# Altium PCB UM-64NNP-V1 rev 0.18_norail.PcbDoc (part 5 of 5)
Units mil, origin at the board's own origin, x right, y up, seen from the top; angles counter-clockwise.
Board outline 2614 x 1090.63 mil, 6 copper layers (L1, L2, L3, L4, L5, L6), stack 20.4 mil thick; 321 components, 171 nets, 960 pads, 1775 vias.
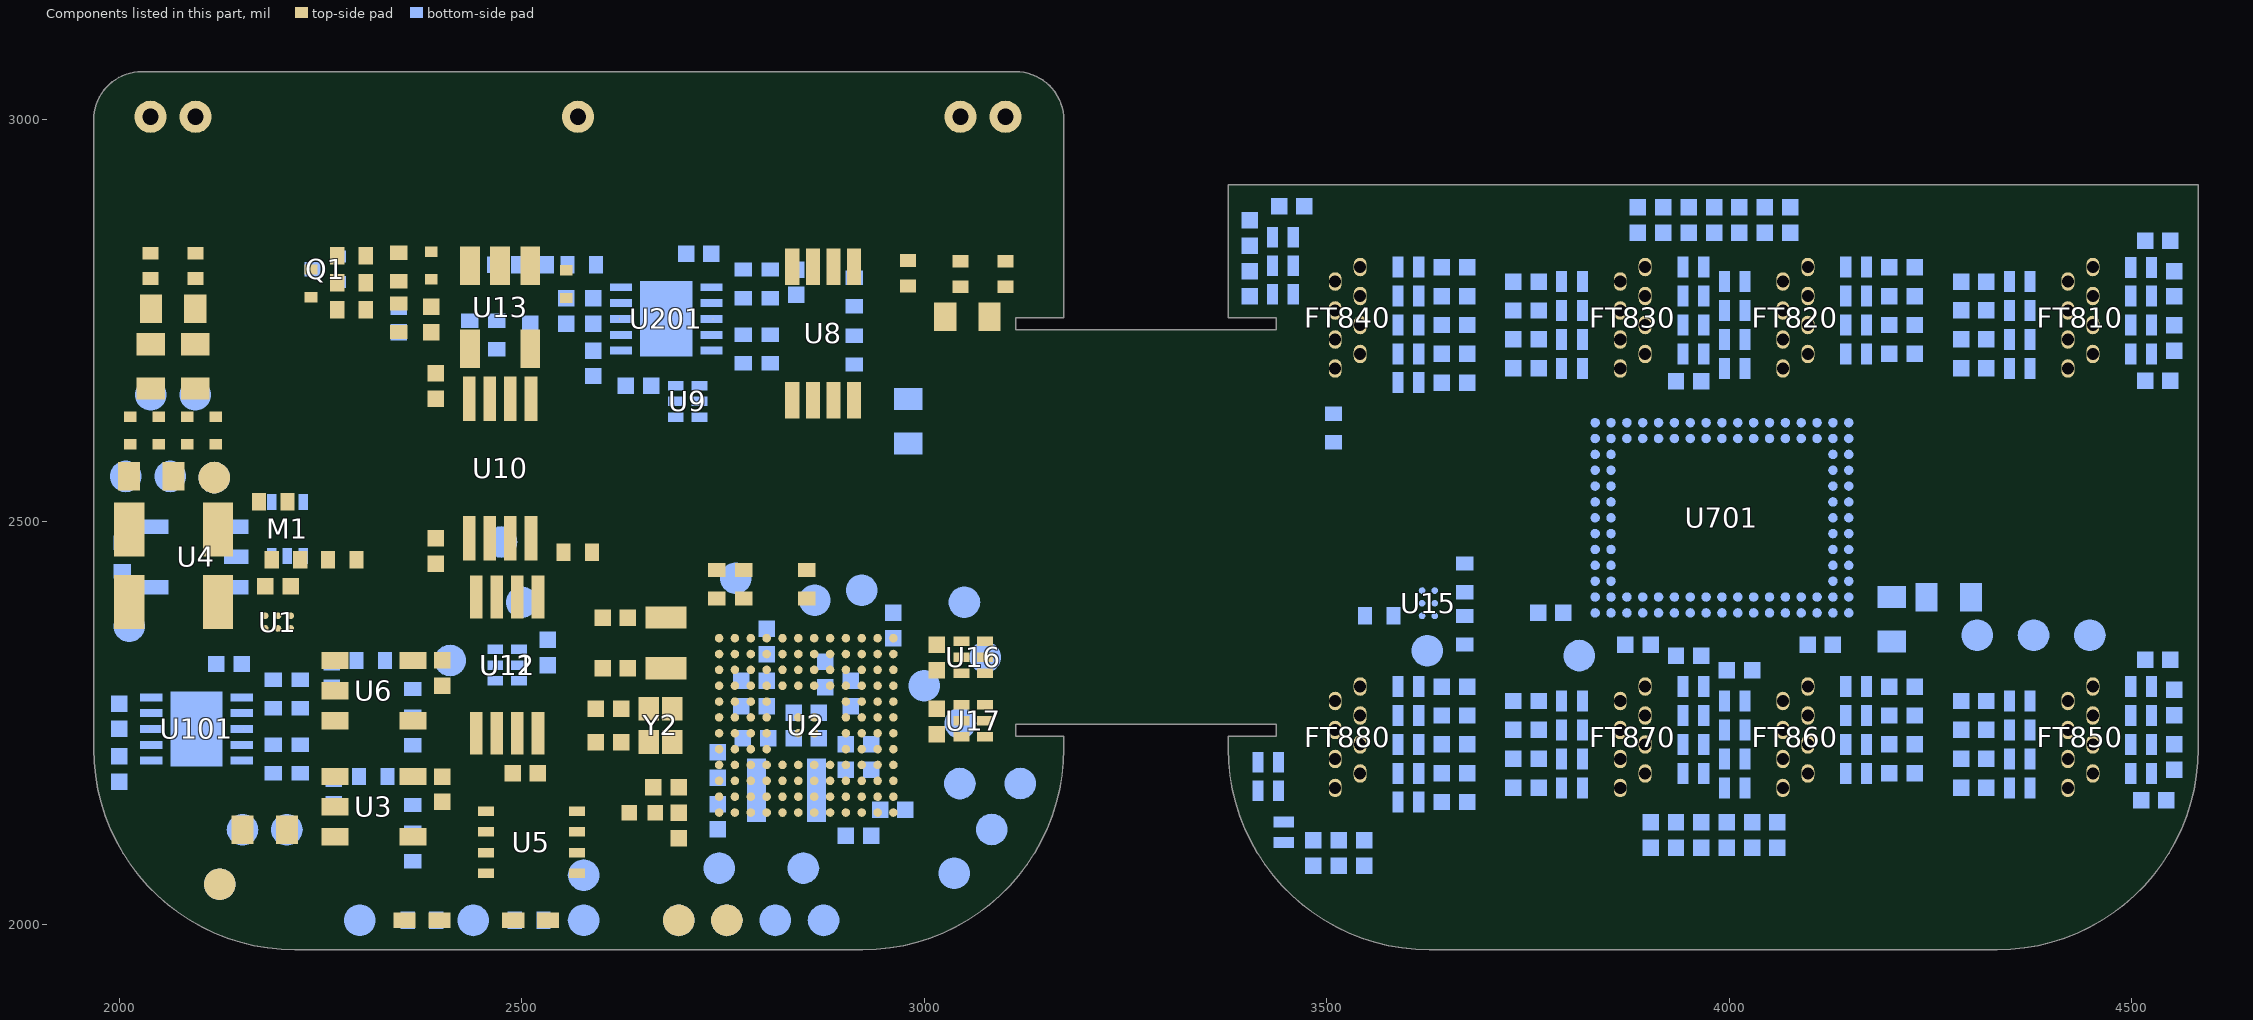
[diagram p9: the components of this part, seen from the top]

## Silkscreen, mask and mechanical layers (free items; w line width, h text height)
Top Overlay:
  circle w10: c2718.41,2400.02 r1.85
  text "FT840" at 3427,2843.01 h45
  text "FT830" at 3727,2843.01 h45
  text "FT820" at 4002,2843.01 h45
  text "FT810" at 4317,2843.01 h45
  text "1" at 3460,2785.01 h35
  text "1" at 3814,2785.01 h35
  text "1" at 4016,2785.01 h35
  text "1" at 4370,2785.01 h35
  text "8" at 3580,2690.01 h35
  text "8" at 3934,2690.01 h35
  text "8" at 4136,2690.01 h35
  text "8" at 4490,2690.01 h35
  text "1" at 3460,2264.01 h35
  text "1" at 3814,2264.01 h35
  text "1" at 4016,2264.01 h35
  text "1" at 4370,2264.01 h35
  text "8" at 3580,2169.01 h35
  text "8" at 3934,2169.01 h35
  text "8" at 4136,2169.01 h35
  text "8" at 4490,2169.01 h35
  text "FT880" at 3437,2093.01 h45
  text "FT870" at 3737,2093.01 h45
  text "FT860" at 4012,2093.01 h45
  text "FT850" at 4314.84,2093.01 h45
Bottom Overlay:
  lines w5: 3550,2140 3590,2080 ; 4330,2380 4340,2390 ; 4390,2390 4400,2400
M1_Note:
  circle w5: c2923.5,2048.5 r10
  circle w5: c2218.5,2048.5 r10
  circle w5: c2218.5,2048.5 r39.37
  circle w5: c2923.5,2048.5 r39.37
  circle w5: c3627.5,2048.5 r10
  circle w5: c3627.5,2048.5 r39.37
  circle w5: c4332.5,2048.5 r39.37
  circle w5: c4332.5,2048.5 r10
  lines w3: 3034.14,2385.73 3042.62,2394.21
  lines w5: 2316.61,1968.5 2923.51,1968.5 ccw(c2923.5,2218.5) 3173.5,2218.5 3173.5,2233.5 3113.5,2233.5 3113.5,2248.5 3113.5,2455 2710.84,2454.95 2520,2514.49 2316.61,2514.49 ; 2316.61,1968.5 2316.61,2229.39 2417,2229.39 2417,2351.44 2316.61,2351.44 2316.61,2514.49 ; 2316.61,1968.5 2218.5,1968.5 cw(c2218.5,2218.5) 1968.5,2218.5 1968.5,2613.5 2139.93,2613.5 2271.67,2514.49 2316.61,2514.49
M2_Rigid:
  lines w5: 1968.5,2858.5 1968.5,2218.5 ccw(c2218.5,2218.5) 2218.5,1968.5 2923.5,1968.5 ccw(c2923.5,2218.5) 3173.5,2218.5 3173.5,2233.5 3113.5,2233.5 3113.5,2248.5 3113.5,2738.5 3113.5,2753.5 3173.5,2753.5 3173.5,2858.5 ; 3377.5,2218.5 ccw(c3627.5,2218.5) 3627.5,1968.5 4332.5,1968.5 ccw(c4332.5,2218.5) 4582.5,2218.5 4582.5,2918.5 3377.5,2918.5 3377.5,2753.5 3437.5,2753.5 3437.5,2738.5 3437.5,2248.5 3437.5,2233.5 3377.5,2233.5 3377.5,2218.5
  lines w7: 1968.5,2858.51 3173.5,2858.5
M3_flexOnly:
  lines w5: 1968.5,2858.51 1968.5,2999.13 cw(c2028.5,2999.13) 2028.5,3059.13 3113.5,3059.13 cw(c3113.5,2999.13) 3173.5,2999.13 3173.5,2858.5 1968.5,2858.51 ; 3113.5,2248.5 3113.5,2738.5 3437.5,2738.5 3437.5,2248.5 3113.5,2248.5
M4_Rail:
  lines w5: 1968.5,2257.88 1968.5,2819.13 ; 2067.88,3059.14 2225.36,3059.13 ; 2257.88,1968.5 2884.13,1968.5 ; 3074.13,3059.13 2916.65,3059.13 ; 3666.88,1968.5 4293.13,1968.5 ; 3771.2,2918.5 4543.13,2918.5 ; 4582.5,2257.88 4582.5,2879.13 ; 2916.65,3059.13 2916.65,3059.13 ; 4543.13,2918.5 4543.13,2918.5
M5_Cutout:
  lines w5: 1968.5,2257.88 1968.5,2218.5 ; 2257.88,1968.5 2218.5,1968.5 ; 2916.65,3059.13 2225.36,3059.13 ; 3666.88,1968.5 3627.5,1968.5 ; 3771.2,2918.5 3377.5,2918.5 ; 4582.5,2879.13 4582.5,2918.5 4543.13,2918.5 ; 1968.5,2218.51 ccw(c2218.5,2218.51) 2218.5,1968.51 ; 1968.5,2218.5 1968.5,2218.5 ; 1968.5,2819.13 1968.5,2999.13 cw(c2028.5,2999.13) 2028.5,3059.13 2067.88,3059.13 ; 1968.5,2819.13 1968.5,2819.13 ; 1968.5,2819.13 1968.5,2819.13 ; 2067.88,3059.14 2067.88,3059.14 ; 2067.88,3059.13 2067.88,3059.14 ; 2218.5,1968.5 2218.5,1968.5 ; 2225.36,3059.13 2225.36,3059.13 ; 2884.13,1968.5 2884.13,1968.5 ; 2884.13,1968.5 2884.13,1968.5 ; 2884.13,1968.5 2923.51,1968.5 ccw(c2923.5,2218.5) 3173.5,2218.5 3173.5,2233.5 3113.5,2233.5 3113.5,2248.5 3437.5,2248.5 3437.5,2233.5 3377.5,2233.5 3377.5,2218.5 ccw(c3627.5,2218.5) 3627.5,1968.5 ; 3074.13,3059.13 3074.14,3059.13 ; 3074.13,3059.13 3074.13,3059.13 ; 3074.13,3059.13 3113.5,3059.13 cw(c3113.5,2999.13) 3173.5,2999.13 3173.5,2753.5 3113.5,2753.5 3113.5,2738.5 3437.5,2738.5 3437.5,2753.5 3377.5,2753.5 3377.5,2918.5 ; 3377.5,2918.5 3377.5,2918.5 ; 3627.5,1968.5 3627.5,1968.5 ; 4293.13,1968.5 4293.13,1968.5 ; 4293.13,1968.5 4293.13,1968.5 ; 4293.13,1968.5 4332.5,1968.5 ccw(c4332.5,2218.5) 4582.5,2218.5 4582.5,2257.88 ; 4543.13,2918.5 4543.13,2918.5 ; 4543.13,2918.5 4543.14,2918.5 ; 4582.5,2257.88 4582.5,2257.88 ; 4582.5,2257.88 4582.5,2257.88 ; 3510.5,2156.5 3541.5,2156.5 3541.5,2308.5 3510.5,2308.5 3510.5,2156.5 ; 3510.5,2677.5 3541.5,2677.5 3541.5,2829.5 3510.5,2829.5 3510.5,2677.5 ; 3864.5,2156.5 3895.5,2156.5 3895.5,2308.5 3864.5,2308.5 3864.5,2156.5 ; 3864.5,2677.5 3895.5,2677.5 3895.5,2829.5 3864.5,2829.5 3864.5,2677.5 ; 4066.5,2156.5 4097.5,2156.5 4097.5,2308.5 4066.5,2308.5 4066.5,2156.5 ; 4066.5,2677.5 4097.5,2677.5 4097.5,2829.5 4066.5,2829.5 4066.5,2677.5 ; 4420.5,2156.5 4420.5,2308.5 4451.5,2308.5 4451.5,2156.5 4420.5,2156.5 ; 4420.5,2677.5 4451.5,2677.5 4451.5,2829.5 4420.5,2829.5 4420.5,2677.5

## Text inside footprints (layer, text, board x,y; h text height)
U4: Bottom 3D Body "*" at 2132.79,2468.86 h50